# Allegro board pocketbeagle2-revA_241205.brd (continued)
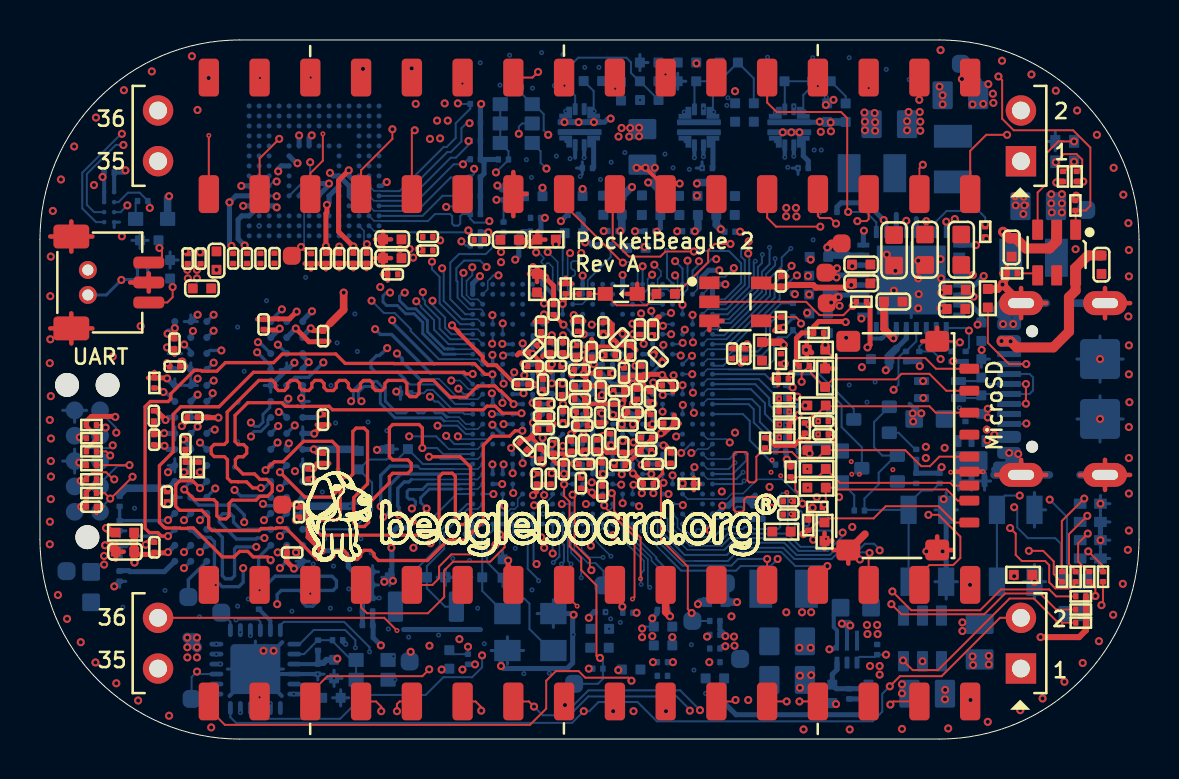
[diagram p0: board, top side]
## Routing (per net, layer and track width the routed paths; a pad name or vN(x,y) marks a point on that pad's centre or on a via; arc(x,y) is an arc through that point) (continued)
  LYR9_GND w0.097: v1(48.55,10.57) 47.38,11.73 47.38,12.24 46.82,12.8 43.98,12.8 42.12,14.65 36.86,14.65 36.51,14.3 v3(35.34,14.3)
  BOTTOM w0.102: v3(35.34,14.3) 35.34,13.94 34.66,13.27 U1.F25
GPIO0_6: length 21.1
  TOP w0.102: R17.1 51.11,7.87 50.73,8.25 50.73,8.89 50.2,9.42 v1(49.49,9.42)
  LYR9_GND w0.097: 35.26,13.44 35.47,13.64 42.48,13.64 43.75,12.37 45.91,12.37 48.85,9.42 v1(49.49,9.42)
  LYR9_GND w0.102: 35.26,13.44 v3(35.19,13.36)
  BOTTOM w0.081: 34.02,13.02 33.41,13.02 U1.F24
  BOTTOM w0.102: v3(35.19,13.36) 34.85,13.02 34.02,13.02
GPIO1_50: length 20.2
  LYR3 w0.097: 29.9,9.11 29.9,8.83 28.79,7.71 28.79,5.69 27.06,3.96 v2(27.06,3.83)
  LYR3 w0.102: 29.9,9.11 v2(29.9,9.14)
  LYR9_GND w0.097: v2(27.06,3.83) 26.83,3.61 23.86,3.61 23.28,3.02 18.8,3.02 v3(17.69,4.14)
  LYR9_GND w0.102: v3(31.16,11.74) 31.16,11.28 30.72,10.84 30.72,9.96 v2(29.9,9.14)
  BOTTOM w0.102: U1.C20 v3(31.16,11.74) ; D5.2 17.59,3.96 17.69,4.06 v3(17.69,4.14)
I2C0_SCL: length 51.6
  TOP w0.102: R27.2 50.85,7.14 50.5,7.49 48.09,7.49 47.05,6.45 43.6,6.45 v1(42.66,7.39)
  LAY8 w0.097: v1(42.66,7.39) 42.45,7.39 41.49,6.42 39.61,6.42 38.97,5.79 31.39,5.79 31.18,6 31.18,6.02 30.54,6.66 v2(30.54,6.96)
  LYR9_GND w0.097: v3(15.78,4.57) 15.78,4.52 16.21,4.09 16.98,4.09 17.29,3.78 17.29,2.74 17.92,2.11 24.13,2.11 24.31,2.28 27.11,2.28 29.7,4.88 29.7,5.64 30.29,6.22 30.29,6.7 v2(30.54,6.96) 30.54,7.01 30.51,7.03 v3(30.51,7.59)
  BOTTOM w0.081: v3(30.51,7.59) 30.42,7.69 30.42,9 29.41,10.01 29.41,11.02 U1.B16
  BOTTOM w0.102: U11.1 12.99,4.75 13.7,5.46 15.27,5.46 15.78,4.95 v3(15.78,4.57)
I2C0_SDA: length 52.2
  TOP w0.102: R25.2 50.85,6.48 50.05,7.29 48.29,7.29 47.25,6.25 43.11,6.25 v1(42.6,6.76)
  LAY8 w0.097: v1(42.6,6.76) 42.35,6.76 41.77,6.17 39.79,6.17 39.18,5.56 30.62,5.56 30.29,5.9 30.29,6.39 30.13,6.54 v2(30.13,7.29)
  LYR9_GND w0.097: v3(30.08,7.75) 30.06,7.72 30.06,7.36 v2(30.13,7.29) 29.5,6.66 29.5,5.03 27.01,2.54 24.16,2.54 24.01,2.39 17.92,2.39 17.48,2.83 17.48,3.88 17.05,4.32 16.54,4.32 v3(16.49,4.37)
  BOTTOM w0.081: U1.A16 29.16,9.98 30.22,8.92 30.22,8.47
  BOTTOM w0.102: v3(30.08,7.75) 30.08,8.3 30.22,8.45 30.22,8.47 ; U11.24 12.03,5.69 12.2,5.87 15.22,5.87 16.49,4.6 v3(16.49,4.37)
J23: length 56.9
  LAY8 w0.097: v1(4.17,29.74) 4.55,30.12 4.55,31.59 5.42,32.46 9.1,32.46 9.59,32.95 21.82,32.95 21.95,32.82 31.38,32.82 31.96,32.23 31.96,31.16 31.45,30.66 31.45,27.91 30.77,27.23 30.77,26.08 31.28,25.57 31.28,24.92 31.08,24.71 31.08,21.39 30.16,20.47 30.16,20.24 29.8,19.89 29.8,19.35 30.16,19 30.16,16.53 30.34,16.36 30.34,15.14 31.28,14.2 31.96,14.2 v1(32.09,14.32)
  BOTTOM w0.102: U1.J23 32.56,14.77 32.11,14.32 v1(32.09,14.32) ; U13.C2 2.71,26.38 2.35,26.74 2.35,28.29 3.79,29.74 v1(4.17,29.74)
J25: length 57.9
  LAY8 w0.097: v1(32.6,14.32) 32.11,14.81 31.68,14.81 31.45,15.04 31.45,15.54 30.36,16.64 30.36,19.37 30.95,19.95 30.95,20.27 30.77,20.45 30.77,20.8 31.27,21.31 31.27,24.63 31.48,24.84 31.48,25.65 30.97,26.17 30.97,27.12 31.65,27.81 31.65,30.57 32.16,31.08 32.16,32.31 31.46,33.01 22.04,33.01 21.9,33.15 9.51,33.15 9.03,32.66 5.34,32.66 4.35,31.67 4.35,30.55 v1(4.1,30.3)
  BOTTOM w0.081: U1.J25 33.41,14.52 32.92,14.52 32.72,14.32 v1(32.6,14.32)
  BOTTOM w0.102: U13.D2 2.8,25.88 2.12,26.57 2.12,28.35 4.06,30.3 v1(4.1,30.3)
MCU_ERRORN: length 10.2
  LYR3 w0.097: v1(18.69,9.57) 18.69,4.5 v1(18.55,4.37)
  BOTTOM w0.102: v1(18.69,9.57) 18.93,9.82 18.93,10.35 20.85,12.27 U1.D1 ; TP2.1 18.5,4.32 v1(18.55,4.37)
MCU_GPIO0_1: length 26.8
  LYR2_GND w0.097: v2(24.67,3.25) 24.65,3.25 24.32,2.92 10.55,2.92 10.38,2.75 v2(8.42,2.75)
  LYR3 w0.097: v2(25.74,10.39) 25.71,10.36 25.71,9.98 27.16,8.53 27.16,7.49 27.06,7.39 27.06,7.39 26.35,6.68 26.35,6.17 24.82,4.65 24.82,3.43 24.67,3.28 v2(24.67,3.25)
  LYR9_GND w0.097: v3(25.18,11.27) 25.18,10.95 v2(25.74,10.39) ; v3(8.84,2.75) v2(8.42,2.75)
  BOTTOM w0.097: U1.B8 v3(25.18,11.27)
  BOTTOM w0.102: U11.14 v3(8.84,2.75)
MCU_PORZ: length 40.8
  TOP w0.102: U4.4 36.28,21.13 R65.1 37.84,21.13 38.08,20.88 v1(38.08,20.8)
  LYR3 w0.097: v2(40.88,7.34) 40.27,7.95 40.27,9.07 41.87,10.66 41.87,16.13 41.41,16.58 41.41,17.4 40.47,18.34 40.47,19.2 38.87,20.8 v1(38.08,20.8)
  LAY8 w0.097: v1(22.69,12.27) 22.69,11.53 23.43,10.79 25.89,10.79 ; v2(40.88,7.34) 37.83,7.34 36.92,8.25 28.44,8.25 28.15,8.53 28.15,9.11
  LAY8 w0.102: 28.15,9.11 28.15,10.08 27.44,10.79 25.89,10.79
  BOTTOM w0.102: U1.D2 v1(22.69,12.27)
MCU_RESETSTATZ: length 4.6
  BOTTOM w0.081: 27.8,8.81 27.42,8.81 26.74,9.49 26.74,10.5 26.91,10.66 26.91,11.02 U1.B12
  BOTTOM w0.102: 27.8,8.81 28.2,8.41 TP3.1
MCU_RESETZ: length 12.6
  TOP w0.102: v1(28.03,4.06) 27.95,4.06 27.85,4.16 27.85,7.69 27.09,8.46 27.09,9.07 26.5,9.65 26.5,11.89 26.23,12.16 v1(26.23,12.75)
  BOTTOM w0.102: v1(28.03,4.06) 28.17,3.92 R23.2 28.17,3.01 27.92,2.77 TP4.1 ; v1(26.23,12.75) 26.24,12.77 U1.E11
MCU_SPI0_CLK: length 21.5
  LYR3 w0.097: v1(22.12,4.19) 22.12,4.33 24.72,6.93 24.72,8.63 v1(24.85,8.76)
  BOTTOM w0.081: 24.7,10.41 24.66,10.45 U1.A7
  BOTTOM w0.102: U11.10 10.53,1.14 10.65,1.01 15.02,1.01 16.21,2.21 19.3,2.21 20.19,3.1 20.28,3.1 21.63,3.1 22.13,3.59 22.13,4.19 v1(22.12,4.19) ; 24.7,10.41 24.7,8.94 24.85,8.79 v1(24.85,8.76)
MCU_SPI0_CS0: length 20
  LYR3 w0.097: v1(25.23,12.22) 25.23,11.48 24.07,10.31 24.07,8.31 23.28,7.52 21.47,7.52 20.25,6.3 20.25,4.55 19.8,4.09 19.19,4.09 18.73,3.63 v2(16.87,3.63)
  LYR9_GND w0.097: v2(16.87,3.63) 16.75,3.63 15.37,2.25 v3(12.7,2.25)
  BOTTOM w0.081: U1.E8 25.16,12.29 v1(25.23,12.22)
  BOTTOM w0.102: U11.6 v3(12.7,2.25) ; v1(25.23,12.22) 25.28,12.27 25.29,12.27
MCU_SPI0_D0: length 21
  LYR3 w0.097: v1(24.73,11.7) 23.83,10.81 23.83,8.46 23.2,7.82 21.34,7.82 19.87,6.35 19.87,4.52 19.64,4.29 19.03,4.29 18.74,4 16.53,4 v2(16.26,3.73)
  LYR9_GND w0.097: v3(11.52,1.78) 12.3,2.56 14.97,2.56 16.14,3.73 v2(16.26,3.73)
  BOTTOM w0.081: v1(24.73,11.7) 24.76,11.73 24.8,11.73 24.93,11.86 25.33,11.86 25.66,12.18 U1.D9
MCU_SPI0_D1: length 27.6
  LYR2_GND w0.097: v2(22.51,3.73) 21.9,3.12 10.47,3.12 10.35,3 8.75,3 8.37,3.38 v1(7.86,3.38)
  LYR3 w0.097: v1(25.08,10.1) 24.85,9.87 24.85,9.3 25.2,8.94 25.2,8.56 25,8.35 25,6.85 22.64,4.49 22.64,3.86 v2(22.51,3.73)
  BOTTOM w0.081: U1.C9 25.59,11.7 25.2,11.7 24.91,11.41 24.91,10.28 v1(25.08,10.1)
  BOTTOM w0.102: TP6.1 7.59,3.11 v1(7.86,3.38) 7.98,3.25 U11.15
N20: length 20.8
  TOP w0.102: P1.13 34.74,1.88 v1(34.81,1.95)
  LYR3 w0.097: v1(34.81,1.95) 35.24,2.39 35.24,9.45 36.13,10.34 36.13,14.58 v2(36.38,14.83)
  LAY8 w0.097: v2(36.38,14.83) 35.44,15.77 32.42,15.77 31.8,16.39 v1(31.16,16.39)
  BOTTOM w0.102: U1.N20 v1(31.16,16.39)
NRESET: length 43.2
  TOP w0.102: U4.2 38.34,21.89 39,21.23 39.02,21.23 39.03,21.22 40.21,21.22 v1(40.67,21.69) 40.85,21.87 R159.2 ; v1(18.6,33.58) 18.61,33.57 P2.26
  LYR3 w0.097: v1(18.6,33.58) 18.78,33.76 31.75,33.76 32.03,33.47 v2(40.12,33.47)
  LAY8 w0.097: v2(40.12,33.47) 40.12,33.35 40.5,32.97 40.5,29.64 40.01,29.16 40.01,26.26 40.29,25.98 40.29,23.04 40.12,22.86 40.12,22.58 40.67,22.03 v1(40.67,21.69)
  BOTTOM w0.102: U17.18 40.71,21.73 v1(40.67,21.69)
PMIC_LPM_EN0: length 54.1
  TOP w0.102: R228.2 v1(47.3,25.78)
  LYR3 w0.097: v2(47.81,6.78) 48.14,7.11 48.14,8.13 47.7,8.57 47.7,12.63 46.97,13.36 46.97,18.41 47.71,19.15 47.71,25.25 47.3,25.65 v1(47.3,25.78)
  LAY8 w0.097: v2(47.81,6.78) 44,6.78 42.12,4.9 41.16,4.9 40.09,3.83 36.56,3.83 36.18,4.22 32.14,4.22 31.89,4.47 29.85,4.47 28.84,5.49 26.58,5.49 25.79,6.27 25.79,7.54 v2(25.41,7.92)
  LYR9_GND w0.097: v3(24.95,7.92) v2(25.41,7.92)
  BOTTOM w0.081: 24.41,10.47 24.41,11.02 U1.B7
  BOTTOM w0.102: U17.31 44.85,25.92 45.37,26.44 46.97,26.44 47.3,26.11 v1(47.3,25.78) ; v3(24.95,7.92) 24.95,7.97 24.41,8.52 24.41,10.47
PORZ_OUT: length 51.7
  LYR3 w0.097: v1(25.43,30.25) 25.59,30.1 27.97,30.1 28.74,29.34 32.88,29.34 33.33,28.88 42.27,28.88 43.87,27.28 43.87,25.88 45.77,23.98 45.77,21.72 44.69,20.63 44.69,18.85 45.39,18.14 45.39,15.82 44.87,15.29 44.87,14.32 44.61,14.07 v1(44.33,14.07)
  LAY8 w0.097: v1(44.33,14.07) 43.77,13.51 37.33,13.51 37,13.84 34.1,13.84 33.46,13.2 v1(31.66,13.2)
  BOTTOM w0.102: v1(25.43,30.25) 25.21,30.48 25.21,31.29 24.71,31.78 D47.2 24.09,32.33 R63.1 ; v1(31.66,13.2) U1.E21
PWR_BTN: length 42.2
  TOP w0.102: v1(40.45,26.39) 40.45,26.49 40.4,26.54 40.4,31.09 40.09,31.39 36.86,31.39 36.39,31.87 P2.12
  LYR3 w0.097: v2(45.88,26.8) 47.51,26.8 48.99,25.32 48.99,24 50.43,22.56 50.43,12.52 50.1,12.19 v1(49.03,12.19)
  LAY8 w0.097: v2(45.88,26.8) 45.53,27.15 41.26,27.15 40.5,26.39 v1(40.45,26.39)
  BOTTOM w0.102: SW2.4 SW2.2 47.89,11.78 48.29,12.19 v1(49.03,12.19) ; R161.2 v1(40.45,26.39) 41.33,26.39 41.85,25.87 U17.25
RESET_REQZ: length 8.5
  TOP w0.102: v1(31.2,12.83) 31.07,12.7 31.07,9.98 32.42,8.63 32.42,6.5 v1(32.61,6.31)
  BOTTOM w0.102: R24.2 32.65,5.91 TP5.1 ; v1(31.2,12.83) 31.16,12.88 U1.F20
RESETSTATZ: length 95.1
  LYR3 w0.097: v1(43.35,25.95) 43.35,27.14 41.92,28.57 33.21,28.57 32.75,29.03 28.56,29.03 27.8,29.79 24.47,29.79 v1(23.96,30.3) ; v1(50.53,11.99) 50.73,12.19 50.73,22.68 49.28,24.13 49.28,25.45 47.56,27.18 45.45,27.18 45.04,26.77 v2(45.02,26.77) ; v1(32.16,12.81) 32.16,12.16 30.79,10.79 27.8,10.79 27.19,10.18 27.19,9.52 27.42,9.3 28.14,9.3 28.48,8.96 28.48,6.7 28.48,6.7 28.48,5.87 26.63,4.02 26.63,3.5 v2(26.88,3.25)
  LAY8 w0.097: v1(32.16,12.81) 33.49,12.81 34.22,13.54 36.86,13.54 37.63,12.77 46.92,12.77 48.45,11.25 49.79,11.25 v1(50.53,11.99) ; v2(45.02,26.77) 44.18,26.77 v1(43.35,25.95)
  LYR9_GND w0.097: v3(17.76,2.97) 18.04,2.69 23.89,2.69 24.04,2.84 26.48,2.84 v2(26.88,3.25)
  BOTTOM w0.097: v1(23.96,30.3) 23.96,30.66 24.12,30.82 D48.2
  BOTTOM w0.102: D17.2 52.31,7.89 51.39,8.81 51.39,11.12 v1(50.53,11.99) ; v1(32.16,12.81) U1.F22 ; U17.28 v1(43.35,25.95) ; D4.2 v3(17.76,2.97)
SD_CD: length 26.4
  TOP w0.102: J3.G1 45.69,12.69 45.55,12.83 40.02,12.83 D2.2 39.33,13.51 38.92,13.11 37.58,13.11 R61.2 37.56,13.07 37.8,12.83 37.8,12.47 38.11,12.17 38.82,12.17 v1(38.87,12.11)
  LYR3 w0.097: v1(38.87,12.11) 39.46,12.11 40.14,11.43 v2(40.14,10.92)
  LAY8 w0.097: v1(29.7,12.73) 29.5,12.53 29.5,11.61 30.11,11 34.3,11 34.68,10.62 39.84,10.62 v2(40.14,10.92)
  BOTTOM w0.102: U1.D17 29.66,12.67 29.7,12.71 v1(29.7,12.73)
SD_CLK: length 22.1
  TOP w0.102: J3.T5 45.01,14.14 44.54,13.66 44.1,13.66 43.3,14.46 D22.2 39.32,14.46 38.79,13.94 38.06,13.94 37.63,14.38 36.53,14.38 36.33,14.57 R90.2 35.85,14.13 35.85,12.95 35.75,12.85 35.51,12.85 35.4,12.95 35.4,14.27 35.3,14.37 34.84,14.37 34.71,14.24 34.71,11.48 34.81,11.38 35.14,11.38 35.24,11.48 35.24,11.99 35.37,12.12 36.42,12.12 36.44,12.11 v1(36.48,12.11)
  BOTTOM w0.102: R64.2 R70.1 36.18,11.8 v1(36.48,12.11)
SD_CMD: length 26.8
  TOP w0.102: J3.T3 44.83,16.34 44.51,16.66 39.36,16.66 D21.2 38.88,16.25 38.72,16.25 38.49,16.03 v1(38.49,15.75) 38.41,15.83 R89.2
  LYR3 w0.097: v1(40.17,10.34) 39.56,10.34 38.87,11.02 38.13,11.02 37.8,11.35 37.8,11.94 38.29,12.42 38.29,13.36 38.87,13.94 38.87,15.34 38.52,15.69 38.52,15.72 v1(38.49,15.75)
  BOTTOM w0.081: 34.12,9.68 32.52,9.68 31.66,10.54 U1.A21
  BOTTOM w0.102: v1(40.17,10.34) 40.17,10.16 39.43,9.42 37.96,9.42 37.32,10.06 34.5,10.06 34.12,9.68
SD_D0: length 23.8
  TOP w0.102: R92.2 39.15,11.66 v1(39.25,11.76) 39.33,11.83 D23.2 39.82,12.58 39.91,12.5 45.37,12.5 45.93,11.94 J3.T7
  BOTTOM w0.081: 33.38,10.11 33.16,10.11 33.08,10.19 33.08,10.46 33.02,10.51 32.88,10.51 32.83,10.46 32.83,10.18 32.77,10.13 32.63,10.13 32.16,10.6 U1.A22
  BOTTOM w0.102: v1(39.25,11.76) 39.25,11.4 39.43,11.23 39.43,10.77 39.33,10.67 39.07,10.67 38.97,10.77 38.97,11.1 38.85,11.23 38.59,11.23 38.49,11.12 38.49,10.74 38.41,10.67 38.24,10.67 38.13,10.77 38.13,11.35 38.06,11.43 37.88,11.43 37.8,11.35 37.8,10.67 37.7,10.57 37.51,10.57 37.42,10.65 37.42,12.22 37.32,12.32 37.14,12.32 37.04,12.22 37.04,10.62 36.94,10.51 35.73,10.51 35.62,10.62 35.27,10.62 35.17,10.51 34.91,10.51 34.81,10.62 34.46,10.62 34.35,10.51 34.12,10.51 33.72,10.11 33.38,10.11
SD_D1: length 20.6
  TOP w0.102: v1(38.21,10.26) 38.41,10.46 R95.2 38.51,10.46 38.9,10.85 D26.2 39.46,11.05 41.72,11.05 42.33,11.66 44.97,11.66 45.79,10.84 J3.T8
  BOTTOM w0.081: 34.02,9.88 32.62,9.88 31.91,10.6 31.91,11.02 U1.B21
  BOTTOM w0.102: 34.02,9.88 34.43,10.29 37.4,10.29 38.06,9.63 39.33,9.63 39.68,9.98 39.68,10.31 39.56,10.44 38.39,10.44 v1(38.21,10.26)
SD_D2: length 27.1
  TOP w0.102: J3.T1 44.84,18.54 44.31,19.07 39.72,19.07 D19.2 ; v1(39.3,19.73) 39.22,19.82 R79.2
  LYR3 w0.097: v1(39.3,19.73) 39.33,19.73 40.19,18.87 40.19,17.83 40.88,17.14 40.88,11.78 v2(40.95,11.71)
  LAY8 w0.097: v2(40.95,11.71) 40.8,11.56 39.91,11.56 39.38,11.02 35.37,11.02 34.35,12.04 32.5,12.04 v1(32.17,11.71)
  BOTTOM w0.102: U1.C21 32.12,11.77 v1(32.17,11.71)
SD_D3: length 24.3
  TOP w0.102: J3.T2 45.36,17.44 44.51,18.29 43.11,18.29 42.83,18.01 39.67,18.01 D20.2 38.59,18.32 38.59,18.59 R30.2 38.12,18.3 v1(38.12,17.89)
  LYR3 w0.097: v1(38.16,11.78) 38.49,12.11 38.49,13.13 39.23,13.87 39.23,16.41 38.12,17.52 v1(38.12,17.89)
  BOTTOM w0.081: v1(38.16,11.78) 38.16,11.84 38.13,11.86 38.13,12.01 37.14,13 35.9,13 35.19,12.29 34.63,12.29 34.35,12.02 32.41,12.02 U1.D22
SD_PWR_EN: length 24.1
  LYR9_GND w0.097: v1(48.75,11.61) 48.35,11.61 46.85,13.11 44.03,13.11 41,16.13 38.35,16.13 37.63,15.4 36.31,15.4 35.65,14.73 35.26,14.73
  LYR9_GND w0.102: 35.26,14.73 35.21,14.73 v3(34.78,14.3)
  BOTTOM w0.081: U1.H24 33.41,14.02 34.5,14.02
  BOTTOM w0.102: D16.2 51.32,8.48 51.09,8.71 51.09,9.78 50.81,10.06 49.44,10.06 48.9,10.59 48.9,11.5 48.8,11.61 v1(48.75,11.61) ; v3(34.78,14.3) 34.5,14.02
SD_VOLT_SEL: length 24.6
  LYR3 w0.097: v1(42.72,17.49) 43.29,16.92 43.29,11.43 v2(43.47,11.25)
  LAY8 w0.097: v2(43.47,11.25) 43.39,11.33 40.01,11.33 39.51,10.82 34.88,10.82 34.53,11.17 30.46,11.17 v1(29.98,11.66)
  BOTTOM w0.102: v1(42.72,17.49) 42.96,17.73 42.96,19.1 43.27,19.41 R54.2 43.85,19.92 U17.12 ; v1(29.98,11.66) 29.98,11.67 29.88,11.77 U1.C17
SOC_EMU0: length 45.8
  TOP w0.102: R35.2 3.16,15.72 v1(3.29,15.59)
  LYR3 w0.097: v1(3.29,15.59) 2.88,15.19 2.88,11.73 4.12,10.49 4.12,8.74 4.88,7.98 8.89,7.98 14.89,1.98 24.22,1.98 25.79,3.55 25.79,3.88 27.97,6.07 27.97,8.61 27.73,8.85 27.17,8.85 26.6,9.42 26.6,11.15 26.99,11.54 26.99,12.23 v1(27.61,12.85) 27.62,12.85 27.62,12.8
  BOTTOM w0.102: J1.7 3.01,15.31 v1(3.29,15.59) ; U1.E12 27.2,12.81 27.53,12.81 27.57,12.85 v1(27.61,12.85)
SOC_EMU1: length 36.9
  TOP w0.102: v1(4.63,13.13) 3.54,12.04 v1(3.51,12.04) 3.23,12.32 R34.2
  LYR3 w0.097: v1(26.12,11.77) 24.49,10.15 24.49,7.14 21.22,3.86 19.34,3.86 18.75,3.28 16.16,3.28 13.75,5.69 13.75,9.45 12.63,10.57 11.09,10.57 11.02,10.49 10.02,10.49 8.37,12.14 5.62,12.14 v1(4.63,13.13)
  BOTTOM w0.102: v1(26.12,11.77) U1.C11 ; v1(3.51,12.04) 3.01,11.53 J1.10
SOC_TCK: length 38.9
  TOP w0.102: v1(1.99,15.11) 2.04,15.06 R31.2
  LYR3 w0.097: v2(26.09,8.41) 26.09,7.67 25.56,7.14 25.56,6.48 23.73,4.65 23.73,3.28 23.25,2.79 15.3,2.79 13.14,4.95 13.14,6.48 9.05,10.57 5.5,10.57 4.56,11.5 4.56,12.32 4.07,12.8 4.07,13.38 3.95,13.51 3.95,14.45 3.69,14.71 v1(3.64,14.71)
  LYR9_GND w0.097: v3(26.09,8.76) v2(26.09,8.41)
  BOTTOM w0.102: v3(26.09,8.76) 26.22,8.89 26.22,9.72 26.16,9.78 U1.A10 ; v1(3.64,14.71) 3.59,14.71 3.45,14.57 2.36,14.57 J1.4 1.91,15.19 v1(1.99,15.11)
SOC_TDI: length 38.5
  TOP w0.102: R33.2 3.31,14.4 v1(3.51,14.2)
  LYR3 w0.097: v2(26.78,7.69) 26.78,7.57 26.09,6.88 26.09,6.27 24.27,4.44 24.27,3.07 23.58,2.39 15.1,2.39 8.54,8.94 5.47,8.94 4.73,9.68 4.73,10.67 4.05,11.35 4.05,12.08 3.34,12.8 3.34,14.02 v1(3.51,14.2)
  LYR9_GND w0.081: v2(26.78,7.69) 27.09,8 v3(27.09,8.08)
  BOTTOM w0.081: v3(27.09,8.08) 27.09,8.81 26.58,9.32 26.58,10.57 26.63,10.62 26.63,10.74 U1.A11
  BOTTOM w0.102: J1.8 3.01,13.94 3.26,14.2 v1(3.51,14.2)
SOC_TDO: length 43.3
  TOP w0.102: v1(27.59,8.46) 27.52,8.53 27.52,8.99 26.76,9.75 26.76,12.13 v1(26.65,12.23)
  LYR3 w0.097: v1(3.82,15.34) 3.62,15.34 3.11,14.83 3.11,11.78 4.33,10.57 4.33,9.75 5.9,8.18 9,8.18 14.99,2.18 24.14,2.18 25.59,3.63 25.59,4.39 27.06,5.87 27.06,6.83 27.59,7.36 v1(27.59,8.46)
  BOTTOM w0.102: U1.D12 26.74,12.27 26.7,12.23 v1(26.65,12.23) ; J1.6 3.01,16.39 3.82,15.57 v1(3.82,15.34)
SOC_TMS: length 38.2
  TOP w0.102: v1(3.72,13) 3.67,13 3.31,13.36 2.63,13.36 2.32,13.05 R32.2 2.12,13 v1(2.04,12.93)
  LYR3 w0.097: v1(3.72,13) 3.74,12.98 3.74,12.77 4.25,12.27 4.25,11.43 5.95,9.73 9.56,9.73 12.94,6.34 12.94,4.85 15.2,2.59 23.43,2.59 23.99,3.15 23.99,4.47 25.82,6.3 25.82,6.98 26.4,7.57 26.4,8.15 v2(26.65,8.41)
  LYR9_GND w0.081: v2(26.65,8.41) 26.58,8.48 v3(26.58,8.76)
  BOTTOM w0.081: U1.B11 26.41,11.02 26.41,9.59 26.41,9.58 26.41,8.92 v3(26.58,8.76)
  BOTTOM w0.102: J1.2 1.76,12.65 v1(2.04,12.93)
SOC_TRST#: length 38.4
  TOP w0.102: R36.1 v1(4.48,13.71)
  LYR3 w0.097: v2(25.56,8.43) 25.56,8.33 25.79,8.1 25.79,7.72 25.26,7.19 25.26,6.63 23.48,4.85 23.48,3.48 23.05,3.05 15.35,3.05 13.39,5 13.39,6.53 8.61,11.31 5.31,11.31 4.86,11.76 4.86,12.37 4.28,12.95 4.28,13.56 4.43,13.71 v1(4.48,13.71)
  LYR9_GND w0.097: v3(25.69,8.84) 25.56,8.71 v2(25.56,8.43)
  BOTTOM w0.081: 25.99,9.27 25.99,9.7 25.91,9.79 25.91,11.02 U1.B10
  BOTTOM w0.102: v1(4.48,13.71) 4.45,13.69 3.9,13.69 3.01,12.8 J1.9 ; v3(25.69,8.84) 25.99,9.14 25.99,9.27
U22: length 30.6
  LYR3 w0.097: v2(35.67,30.91) 38.06,30.91 38.95,30.02 46.26,30.02 47.02,30.78 48.4,30.78 P2.2
  LAY8 w0.097: v2(35.67,30.91) 35.67,30.68 35.26,30.28 35.26,28.49 36.23,27.52 36.23,26.41 36.92,25.73 36.92,21.46 35.59,20.14 34.52,20.14 34.02,19.63 33.46,19.63 33.02,19.2 32.64,19.2 v1(32.63,19.19)
  BOTTOM w0.102: v1(32.63,19.19) 32.62,19.19 32.58,19.15 32.57,19.15 32.55,19.12 32.51,19.12 U1.U22
USB0_DM: length 29.8
  LYR3 w0.091: v1(27.09,24.33) 26.92,24.49 26.92,25.11 27.17,25.36 27.39,25.36 27.61,25.58 27.61,25.79 27.85,26.03 28.61,26.03 28.76,25.88 29.07,25.88 29.22,26.03 29.98,26.03 30.13,25.88 30.44,25.88 30.59,26.03 30.9,26.03 31.05,25.88 31.35,25.88 31.5,26.03 35.88,26.03 37.06,27.22 40.14,27.22 43.28,24.08 43.28,17.76 43.66,17.38 44.1,17.38 44.19,17.29 44.19,17.07 v1(44.2,17.07)
  BOTTOM w0.081: v1(27.09,24.33) 27.09,24 27.01,23.93 26.66,23.93 26.58,23.84 26.58,23.58 26.66,23.5 26.7,23.5 26.78,23.42 26.78,23.26 26.7,23.17 26.66,23.17 26.58,23.09 26.58,22.85 U1.AE11
USB0_DP: length 29.7
  LYR3 w0.091: v1(26.53,24.33) 26.69,24.49 26.69,25.21 27.75,26.27 35.78,26.27 36.97,27.46 40.24,27.46 43.52,24.18 43.52,17.85 43.76,17.62 44.1,17.62 44.19,17.71 v1(44.19,17.92)
  BOTTOM w0.081: U1.AD11 26.41,22.52 26.41,24.25 26.49,24.33 v1(26.53,24.33)
USB1_DM: length 85.7
  TOP w0.104: P1.9 v1(38.01,1.88)
  LYR3 w0.091: v1(38.01,1.88) 37.8,1.68 37.8,1.14 37.37,0.7 8.98,0.7 6.71,2.97 6.71,4.24 6.29,4.66 4.33,4.66 2.27,6.73 2.27,8.45 1.25,9.48 1.25,16.35 2.24,17.34 2.24,20.11 3.23,21.1 3.23,23.69 4.99,25.45 19.01,25.45 19.97,24.48 22.18,24.48 23.08,25.39 24.84,25.39 25.21,25.01 25.22,24.87 25.22,24.86 25.22,24.57 v1(25.41,24.38)
  BOTTOM w0.081: U1.AD10 25.91,22.52 25.91,23.88 v1(25.41,24.38)
USB1_DP: length 85.6
  TOP w0.104: P1.11 v1(37.37,1.88)
  LYR3 w0.091: v1(37.37,1.88) 37.57,1.68 37.57,1.24 37.27,0.94 36.92,0.94 36.76,1.09 36.46,1.09 36.31,0.94 35.92,0.94 35.77,1.09 35.47,1.09 35.31,0.94 9.08,0.94 6.94,3.07 6.94,4.34 6.38,4.9 4.43,4.9 4.19,5.14 4.19,5.36 3.97,5.57 3.76,5.57 3.48,5.85 3.48,6.07 3.26,6.28 3.04,6.28 2.51,6.82 2.51,7.19 2.66,7.34 2.66,7.64 2.51,7.8 2.51,8.55 1.48,9.57 1.48,16.25 2.47,17.25 2.47,20.01 3.46,21 3.46,23.6 3.68,23.81 3.9,23.81 4.11,24.03 4.11,24.24 4.37,24.5 4.58,24.5 4.8,24.71 4.8,24.93 5.08,25.22 5.39,25.22 5.54,25.06 5.85,25.06 6,25.22 17.99,25.22 18.15,25.06 18.45,25.06 18.6,25.22 18.91,25.22 19.88,24.25 20.3,24.25 20.46,24.1 20.76,24.1 20.91,24.25 21.22,24.25 21.37,24.1 21.68,24.1 21.83,24.25 22.28,24.25 23.18,25.15 23.63,25.15 23.78,25 24.09,25 24.24,25.15 24.74,25.15 24.98,24.91 24.98,24.85 24.98,24.53 v1(24.83,24.36)
  BOTTOM w0.081: v1(24.83,24.36) 24.95,24.36 25.21,24.1 25.21,24.04 25.09,23.92 25.09,23.86 25.21,23.75 25.31,23.75 25.38,23.82 25.46,23.82 25.66,23.63 25.66,23.26 25.66,23.23 U1.AE9
USB1_VBUS: length 2.3
  TOP w0.102: R67.1 26.97,22.3 R69.1 26.31,21.94 v1(26.16,21.78)
  BOTTOM w0.102: v1(26.16,21.78) 26.16,21.27 U1.AB10 26.16,21.78 v1(26.16,21.78)
USB_5V: length 9.2
  TOP w0.508: C6.1 52.44,24.21 51.83,23.6 U5.6 51.83,22.45 51.49,22.12 51.49,20.39 50.71,19.61 48.88,19.61 v1(48.57,19.91) 48.13,19.91 v1(48.12,19.92)
  BOTTOM w0.254: J14.B9 v1(48.12,19.92)
  BOTTOM w0.381: v1(30.26,24.64) R132.2
  vias: v1(37.35,26.59) v1(37.34,26.17) v1(37.83,26.59) v1(37.85,26.16) v1(41.54,3.66) v1(42.02,3.66) v1(42.02,3.22) v1(47.38,15.49) v1(47.41,14.96) v1(47.76,15.24)
USB_C_DM: length 5.8
  BOTTOM w0.104: L13.2 46.97,17.07 D25.2 47.18,17.27 J14.A7 49.52,17.27 49.7,17.45 49.7,18.1 49.53,18.27 J14.B7
USB_C_DP: length 5.4
  TOP w0.104: v1(49.34,17.77) v1(49.34,16.79)
  BOTTOM w0.104: J14.B6 49.32,16.77 v1(49.34,16.79) ; L13.3 46.93,17.92 D24.2 47.43,17.77 J14.A6 v1(49.34,17.77)
USER_BTN: length 15.2
  BOTTOM w0.102: Q1.1 41.74,15.87 41.74,14.6 42.15,14.19 42.83,14.19 ; Q2.1 42.83,14.19 ; 42.83,14.19 41.97,13.33 41.97,12.75 41.26,12.04 R29.1 41.29,11.48 SW1.2 ; 43.43,11.44 SW1.2 ; SW1.2 SW1.4 ; SW1.2 43.47,11.78 44.13,12.44 44.66,12.44 R28.2
VSYS: length 9.2
  BOTTOM w0.203: v1(42.22,25.98) 42.35,25.85 U17.26 ; U17.30 v1(44.35,25.93)
  BOTTOM w0.254: 42.86,19.56 43.35,20.05 U17.13 ; v1(42.22,25.98) 41.36,26.85 40.09,26.85 39.89,26.64 R161.1 ; v1(47.23,23.18) 46.78,22.73 U17.5 ; R139.1 v1(21.77,3.74) ; U17.4 v1(46.68,23.23)
  BOTTOM w0.381: 42.86,19.56 42.51,19.21 C53.1 42.51,18.65 v1(42.33,18.46)
  vias: v1(20.99,5) v1(21.14,3.48) v1(28.95,30.16) v1(29.1,30.59) v1(29.49,30.16) v1(29.54,30.59) v1(29.98,30.61) v1(29.98,30.17) v1(37.17,30.38) v1(37.6,30.38) v1(38.01,30.38) v1(41.39,5.71) v1(41.41,5.26) v1(41.89,5.71) v1(41.92,5.26)
W24: length 17.6
  TOP w0.097: P2.8 v4(41.47,32.59)
  LYR2_GND w0.097: v4(41.47,32.59) v2(41.73,32.32)
  LYR9_GND w0.097: v2(41.73,32.32) 41.66,32.32 40.85,31.52 40.85,30.4 38.46,28.01 38.46,25.45 v3(37.58,24.56)
  BOTTOM w0.081: 34.35,20.02 33.41,20.02 U1.W24
  BOTTOM w0.097: 36.53,22.76 36.53,23.09 37.12,23.67 37.12,24.1 v3(37.58,24.56)
  BOTTOM w0.102: 36.53,22.76 36.53,22.2 34.35,20.02
W25: length 21.2
  TOP w0.097: v1(44,32) 44.01,32.01 P2.6
  LYR3 w0.097: v2(39.81,31.34) 40.17,31.34 41.87,33.04 42.96,33.04 v1(44,32)
  LAY8 w0.097: v1(37.61,23.69) 37.58,23.73 37.58,25.3 39.18,26.9 39.18,29.11 39.96,29.89 39.96,31.19 v2(39.81,31.34)
  BOTTOM w0.102: 33.68,19.79 U1.W25 34.43,19.77 36.76,22.1 36.76,22.81 37.6,23.65 37.6,23.68 v1(37.61,23.69)
WKUP_I2C0_SCL: length 41.5
  LYR3 w0.097: v2(47.15,8.3) 47.15,11.15 47.3,11.3 47.3,12.34 46.49,13.16 46.49,19.4 v1(46.03,19.86)
  LAY8 w0.097: v1(25.23,9.57) 25.23,9.58 25.33,9.68 26.43,9.68 27.23,8.87 27.23,8.26 27.44,8.05 36.81,8.05 37.93,6.93 41.01,6.93 42.12,8.05 43.59,8.05 44.31,7.33 46.92,7.33 47.15,7.57 v2(47.15,8.3)
  BOTTOM w0.081: U1.B9 25.66,11.14 25.41,10.89 25.41,9.8 25.23,9.63 v1(25.23,9.57)
  BOTTOM w0.102: R51.2 45.61,19.44 v1(46.03,19.86) 45.03,19.86 44.85,20.04 U17.10
WKUP_I2C0_SDA: length 41.4
  LYR3 w0.097: v1(46.49,20.45) 46.69,20.25 46.69,13.31 47.5,12.5 47.5,8.1 47.6,8 v2(47.61,8)
  LAY8 w0.097: v2(47.61,8) 47.61,7.64 47.1,7.14 44,7.14 43.32,7.82 42.18,7.82 41.09,6.73 37.83,6.73 36.71,7.85 27.36,7.85 27.03,8.18 27.03,8.79 26.53,9.3 v1(25.66,9.3)
  BOTTOM w0.102: R59.2 46.33,19.42 46.49,19.58 v1(46.49,20.45) 46.49,20.47 46.38,20.58 U17.9 ; v1(25.66,9.3) U1.A9
Y20: length 51.9
  TOP w0.102: v1(19.48,3.49) 19.14,3.15 14.39,3.15 13.53,2.29 P1.29
  LYR3 w0.097: v2(36.66,2.51) 36.66,2.92 35.89,3.69 35.89,9.04 36.9,10.04 36.9,10.73 37.4,11.23 37.4,12.22 37.78,12.6 37.78,15.52 36.66,16.64 36.66,21.28 35.71,22.22 35.26,22.22
  LYR3 w0.102: 35.26,22.22 v2(35.21,22.22)
  LAY8 w0.097: v2(36.66,2.51) 33.25,2.51 33.05,2.31 28.89,2.31 28.3,2.89 20.07,2.89 v1(19.48,3.49) ; v1(31.59,20.27) 31.59,20.32 32.27,21 32.27,21.36 33.05,22.15 35.14,22.15 v2(35.21,22.22)
  BOTTOM w0.102: v1(31.59,20.27) U1.Y20
Y22: length 51.3
  TOP w0.102: P1.31 v4(10.99,2.09)
  LYR2_GND w0.097: v4(10.99,2.09) v2(10.99,2.56)
  LYR3 w0.097: v1(35.44,1.95) 36,2.51 36,3.22 35.7,3.53 35.7,9.12 36.64,10.06 36.64,10.76 37.2,11.33 37.2,13.61 37.02,13.79 37.02,15.09 36.41,15.7 36.41,21.03 v2(35.68,21.75)
  LAY8 w0.097: v2(35.68,21.75) 35.62,21.82 34.02,21.82 32.7,20.5 v1(32.27,20.5) ; v1(35.44,1.95) 35.09,2.31 33.89,2.31 33.69,2.11 28.81,2.11 28.23,2.69 12.12,2.69 11.99,2.56 v2(10.99,2.56)
  BOTTOM w0.102: U1.Y22 32.16,20.39 32.26,20.5 v1(32.27,20.5)
Y23: length 29.4
  LYR2_GND w0.097: v2(21.42,32.56) 21.4,32.56 v4(21.14,32.82)
  LYR3 w0.097: v2(34.81,30.96) 30.97,30.96 30.34,31.6 28.89,31.6 28.53,31.95 26.27,31.95 25.69,32.54 21.45,32.54 v2(21.42,32.56)
  LAY8 w0.097: v1(32.68,19.86) 32.7,19.86 32.91,20.06 33.61,20.06 34.6,21.06 35.93,21.06 36.38,21.51 36.38,25.63 35.7,26.31 35.7,27.3 34.78,28.22 34.78,30.94 v2(34.81,30.96)
  BOTTOM w0.102: v1(32.68,19.86) 32.67,19.86 32.67,19.89 32.66,19.9 U1.Y23
Y24: length 28.6
  TOP w0.097: P1.20 26.23,7.31 v4(26.88,6.65)
  LYR2_GND w0.097: v4(26.88,6.65) 27.39,6.65 v2(27.42,6.63)
  LYR3 w0.097: v2(35.14,20.67) 34.98,20.52 34.98,19.56 35.49,19.05 35.49,17.81 35.26,17.58 35.26,16.38 35.72,15.92 35.72,10.54 33.94,8.76 33.94,5.61 33.74,5.42 33.74,4.85 v2(33.51,4.62)
  LAY8 w0.097: v2(27.42,6.63) 27.44,6.63 28.39,5.68 28.97,5.68 29.99,4.67 33.47,4.67 v2(33.51,4.62)
  LYR9_GND w0.081: v2(35.14,20.67) 35.14,20.72 35.06,20.8 34.27,20.8 33.99,20.52 v3(33.99,20.52)
  BOTTOM w0.081: v3(33.99,20.52) 33.41,20.52 U1.Y24
Y25: length 28
  LYR2_GND w0.097: v2(26.58,32.38) v4(26.25,32.71)
  LYR3 w0.097: v2(26.58,32.38) 28.51,32.38 28.94,31.95 30.41,31.95 31.02,31.34 35.42,31.34 36,31.93 38.34,31.93 v2(38.69,31.57)
  LYR9_GND w0.097: v2(38.69,31.57) 38.69,31.42 38.36,31.09 37.09,31.09 36.81,30.81 36.81,24.08 v3(36.79,24.05)
  BOTTOM w0.097: 36.33,23.27 36.79,23.72 v3(36.79,24.05)
  BOTTOM w0.102: U1.Y25 33.71,20.22 34.25,20.22 36.33,22.3 36.33,23.27
